# KiCad board sgb_mbc5_1-3.kicad_pcb (continued)
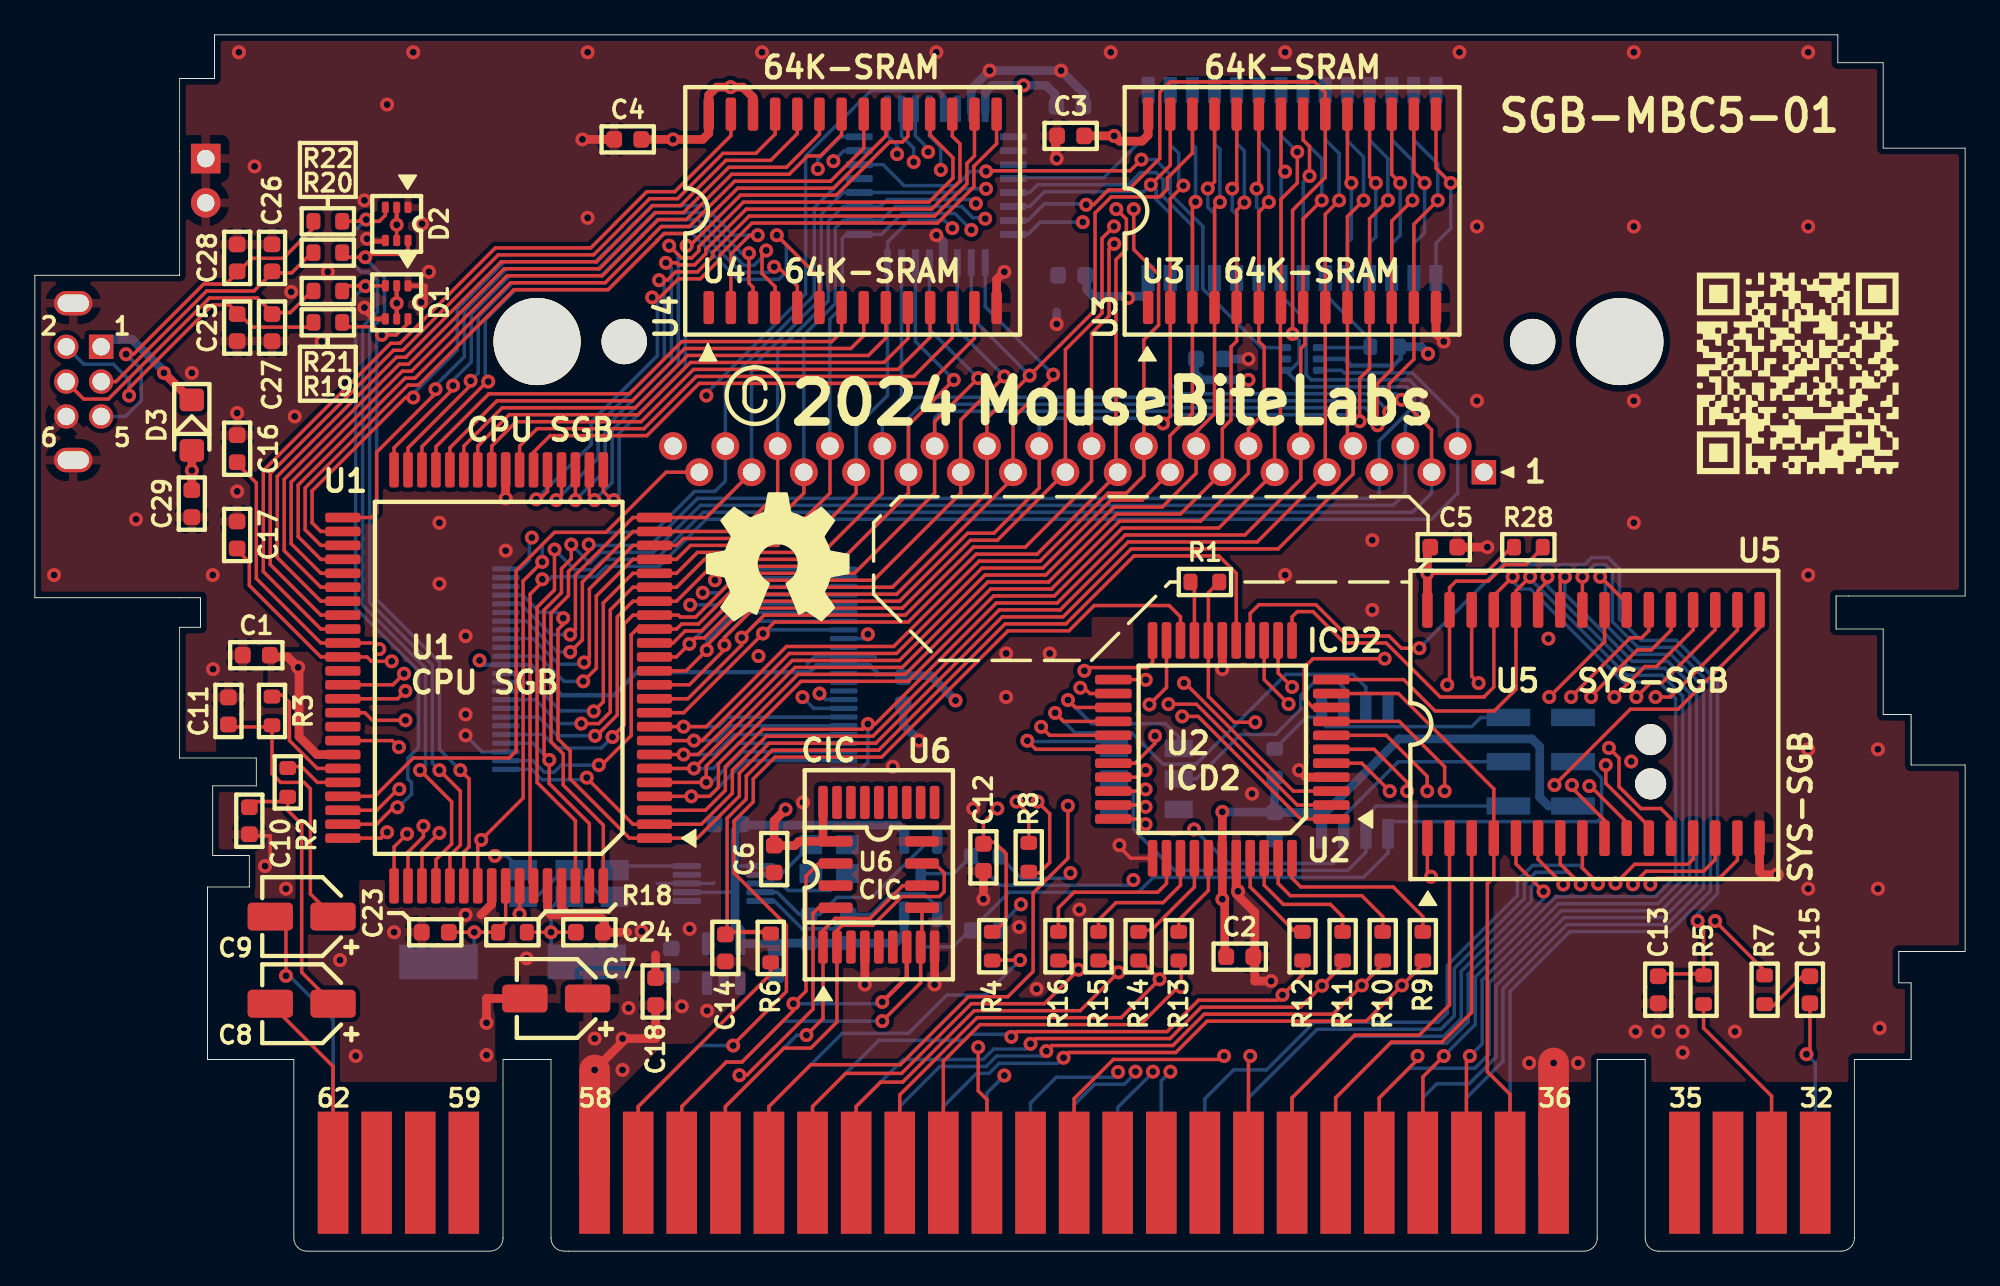
[diagram p0: board, top side]
## Routing (per net, layer and track width the routed paths; a pad name or vN(x,y) marks a point on that pad's centre or on a via; arc(x,y) is an arc through that point) (continued)
/GB domain/MD_{6}: length 42.2
  Top w0.2: 49.2,60.2 49.5,60.2 ; 49.2,60.2 40.63,60.2 38.08,57.65 38.08,57.41 37.67,57 37.08,57 v1(36.38,57.7) ; 49.2,60.2 49.7,60.2 ; 49.5,60.2 49.7,60.2 ; 49.5,60.2 49.7,60.2 ; U1.26 31.8,43.4 v1(32.1,43.1) ; 49.7,60.2 51.27,60.2 52.65,61.58 52.65,62.75 51.36,64.04 51.35,64.04 U4.18
  Bottom w0.2: v1(32.1,43.1) 33.1,44.1 33.1,47.08 36.9,50.88 36.9,57.18 v1(36.38,57.7)
/GB domain/MD_{7}: length 35.1
  Top w0.2: U1.25 32.6,43.6 33.1,43.1 v1(33.2,43.1) ; v1(37.38,57.7) 37.57,57.7 40.47,60.6 45.97,60.6 49.02,63.66 49.76,63.66 50.08,63.97 U4.19
  Bottom w0.2: v1(33.2,43.1) 33.5,43.4 33.5,46.92 37.3,50.72 37.3,57.34 37.16,57.48 v1(37.38,57.7)
/GB domain/PHI: length 86.5
  Top w0.2: U1.75 28.4,21.16 28.4,37.7 29.1,38.4 v1(29.1,38.56) ; 81.6,46.72 CN1.2
  Bottom w0.2: U10.6 74.95,50.55 75.1,50.4 79,50.4 81.6,47.8 CN1.2 81.6,43.5 80.1,42 38.5,42 35.8,39.3 32.77,39.3 32.17,38.7 29.65,38.7 29.51,38.56 v1(29.1,38.56)
/GB domain/~{MCS}: length 47.9
  Top w0.2: U1.43 16.4,40.5 15.5,41.4 15.5,43.8 21.4,49.7 22,49.7 27.48,55.17 32.88,55.17 35.68,57.98 35.68,57.99 36.09,58.4 37.7,58.4 40.3,61 45.8,61 48.8,64 U4.20
/GB domain/~{MRD}: length 48.2
  Top w0.2: U4.22 46.27,64.06 45.05,62.85 44.32,62.85 43.27,61.8 39.96,61.8 37.36,59.2 35.76,59.2 34.88,58.32 34.88,58.31 32.54,55.97 27.08,55.97 21.6,50.5 21.07,50.5 14.7,44.13 14.7,40.6 16.4,38.9 U1.45
/GB domain/~{MWR}: length 47.7
  Top w0.2: U1.49 16.4,35.7 13.1,39 13.1,44.79 20.41,52.1 20.94,52.1 26.41,57.57 31.88,57.57 33.28,58.97 33.28,58.98 35.09,60.8 36.7,60.8 39.92,64.02 39.92,65.25
/GB.CLK: length 57.6
  Top w0.2: v1(65.9,32.6) 65.97,32.6 72.17,26.4 U2.3
  In2.Cu w0.2: v1(65.9,32.6) 65.39,32.09 63.53,32.09 57.94,26.5 53.36,26.5 51.16,24.3 47.56,24.3 45.06,21.8 31.94,21.8 30.74,23 26.7,23 v1(26.38,22.68)
  Bottom w0.2: v1(26.38,22.68) 27.07,22.68 28,21.75 27.99,21.75
/GB.CP: length 66.1
  Top w0.2: v1(21.17,33.14) 20.53,32.5 U1.53 ; v1(63.7,26.5) 63.6,26.4 U2.31
  In2.Cu w0.2: v1(21.17,33.14) 20.55,32.52 20.55,31.32 18.4,29.17 18.4,23.72 20.12,22 24.37,22 25.59,20.78 27.17,20.78 27.79,21.4 30.08,21.4 31.28,20.2 45.72,20.2 48.22,22.7 51.82,22.7 53.02,23.9 59.71,23.9 62.31,26.5 v1(63.7,26.5)
/GB.CPL: length 64.9
  Top w0.2: U1.55 18.92,30.9 19.36,30.46 v1(21.25,30.46) ; U2.29 63.1,28 64.24,29.14 v1(64.24,29.57)
  In2.Cu w0.2: v1(64.24,29.57) 59.37,24.7 52.69,24.7 51.49,23.5 47.89,23.5 45.39,21 31.61,21 30.41,22.2 27.46,22.2 26.84,21.58 25.92,21.58 24.7,22.8 20.45,22.8 19.2,24.05 19.2,28.84 20.83,30.46 v1(21.25,30.46)
/GB.LD0: length 75.6
  Top w0.2: U2.32 63.6,25.6 v1(63.7,25.5) ; 11.6,40.24 12.3,39.54 12.3,38.2 16.4,34.1 U1.51 19.05,34.1 19.3,33.85 v1(20.46,33.85)
  In2.Cu w0.2: v1(63.7,25.5) 61.87,25.5 59.87,23.5 53.19,23.5 51.99,22.3 48.39,22.3 45.89,19.8 31.11,19.8 29.91,21 27.95,21 27.34,20.38 25.42,20.38 24.2,21.6 19.95,21.6 18,23.55 18,29.33 20.08,31.42 20.08,33.47 v1(20.46,33.85)
/GB.LD1: length 80.4
  Top w0.2: U2.33 63.4,24.8 v1(63.7,24.5) ; 11.6,45.19 12.7,44.09 12.7,38.6 16.4,34.9 U1.50 19.4,34.9 v1(19.75,34.55)
  In2.Cu w0.2: v1(19.75,34.55) 19.68,34.48 19.68,31.58 17.6,29.5 17.6,23.39 19.79,21.2 24.04,21.2 25.25,19.98 27.5,19.98 28.12,20.6 29.75,20.6 30.95,19.4 46.05,19.4 48.55,21.9 52.15,21.9 53.35,23.1 60.04,23.1 61.69,24.75 63.45,24.75 v1(63.7,24.5)
/GB.P10: length 51.2
  Top w0.2: U2.23 63.7,32.8 v1(63.71,32.79) ; U1.67 22.2,23 v1(23.2,24)
  In2.Cu w0.2: v1(23.2,24) 23.5,24.3 30.01,24.3 32.11,22.2 44.89,22.2 47.39,24.7 50.99,24.7 53.19,26.9 57.78,26.9 63.66,32.79 v1(63.71,32.79)
/GB.P11: length 50.1
  Top w0.2: v1(59.95,32.33) 59.99,32.3 60.2,32.3 60.5,32 U2.24 ; v1(22.28,24.4) 22.28,23.78 21.4,22.9 U1.66
  In2.Cu w0.2: v1(59.95,32.33) 59.95,29.65 57.61,27.3 53.03,27.3 50.83,25.1 47.23,25.1 44.73,22.6 32.27,22.6 30.17,24.7 22.58,24.7 v1(22.28,24.4)
/GB.P12: length 58.3
  Top w0.2: v1(21.35,23.95) 20.6,23.2 U1.65 ; U2.25 59.67,31.2 v1(59.25,31.62)
  In2.Cu w0.2: v1(59.25,31.62) 59.25,29.5 57.44,27.7 52.86,27.7 50.66,25.5 47.06,25.5 44.56,23 32.44,23 30.34,25.1 21.98,25.1 21.35,24.47 v1(21.35,23.95)
  Bottom w0.2: v1(59.25,31.62) 60.6,30.27 64.83,30.27 65.6,29.5 SW1.1
/GB.P13: length 72.6
  Top w0.2: U2.26 59,30.4 v1(58.51,30.89) ; v1(20.2,24.04) 19.86,23.7 U1.64
  In2.Cu w0.2: v1(58.51,30.89) 58.51,29.33 57.28,28.1 52.7,28.1 50.5,25.9 46.9,25.9 44.4,23.4 32.6,23.4 30.5,25.5 21.81,25.5 20.35,24.04 v1(20.2,24.04)
  Bottom w0.2: U13.3 76.33,32.36 75.6,33.1 71.75,33.1 66.6,27.95 64.7,27.95 62.9,29.75 59.65,29.75 v1(58.51,30.89)
/GB.P14: length 84.1
  Top w0.2: 18.85,55.4 18.92,55.4 v1(18.95,55.37) ; 18.85,55.4 D1.3 ; 18.85,55.4 18.01,55.4 17.71,55.1 ; v1(20.79,25.47) 20.57,25.47 19.6,24.5 U1.63 ; U2.27 58.2,29.6 v1(57.71,30.09)
  In2.Cu w0.2: v1(57.71,30.09) 57.71,29.1 57.11,28.5 52.53,28.5 50.33,26.3 46.73,26.3 44.23,23.8 32.77,23.8 30.67,25.9 21.28,25.9 20.85,25.47 v1(20.79,25.47)
  Bottom w0.2: v1(18.95,55.37) 18.2,54.62 18.2,53.41 18.4,53.21 18.4,36.9 22,33.3 22,28.9 21.39,28.29 21.39,27.11 21.6,26.9 21.6,26.22 20.85,25.47 v1(20.79,25.47)
/GB.P15: length 53.1
  Top w0.2: v1(56.92,29.29) 57.41,28.8 U2.28 ; U1.62 19.61,25.3 20.82,26.51 v1(20.9,26.51)
  In2.Cu w0.2: v1(20.9,26.51) 21.11,26.3 30.83,26.3 32.93,24.2 44.07,24.2 46.57,26.7 50.17,26.7 52.37,28.9 56.52,28.9 v1(56.92,29.29)
  Bottom w0.2: v1(56.92,29.29) 56.96,29.25 61.5,29.25 SW1.4
/GB.S: length 54.2
  Top w0.2: v1(60.19,33.31) 60.37,33.49 63.79,33.49 64.1,33.8 U2.22 ; v1(20.88,28.92) 20.5,29.3 U1.57
  In2.Cu w0.2: v1(60.19,33.31) 59.94,33.31 55.93,29.3 52.2,29.3 50,27.1 46.4,27.1 43.9,24.6 33.1,24.6 31,26.7 21.8,26.7 20.88,27.62 v1(20.88,28.92)
/GB.ST: length 64.7
  Top w0.2: v1(21.25,32.14) 20.81,31.7 U1.54 ; v1(63.7,27.6) 63.3,27.2 U2.30
  In2.Cu w0.2: v1(21.25,32.14) 21.25,31.45 18.8,29 18.8,23.88 20.28,22.4 24.53,22.4 25.75,21.18 27,21.18 27.62,21.8 30.24,21.8 31.44,20.6 45.56,20.6 48.06,23.1 51.66,23.1 52.86,24.3 59.54,24.3 62.84,27.6 v1(63.7,27.6)
/GB.~{RES}: length 91.8
  Top w0.2: v1(56.3,25.8) 57,25.1 57,23.51 ; v1(29.1,39.56) 28,38.46 28,26 v1(25.6,23.6) 25.4,23.4 U1.71
  In2.Cu w0.2: v1(56.3,25.8) 56,26.1 53.53,26.1 51.33,23.9 47.73,23.9 45.23,21.4 31.77,21.4 30.57,22.6 27.29,22.6 26.67,21.98 26.09,21.98 25.6,22.48 v1(25.6,23.6)
  Bottom w0.2: v1(29.1,39.56) 29.1,40.55 29.8,41.25 35.48,41.25 37.83,43.6 39,43.6 39.6,44.2 CN1.30 39.6,49.76 44.7,54.86 44.7,59.88 46.38,61.55 47.45,61.55
/ICD2.MCK: length 56.5
  Top w0.2: 99.2,15.91 99.2,16.1 v1(96.36,18.94) ; v1(69.99,30.35) 68.78,30.35 67.3,31.83 U2.18 67.3,37.79 67.91,38.4
  In2.Cu w0.2: v1(96.36,18.94) 96.36,18.94 95.7,19.6 95.7,32.35 93.95,34.1 81.04,34.1 80.24,33.3 72.03,33.3 71.2,32.47 71.2,31.56 v1(69.99,30.35)
/ICD2.REFRESH: length 56.4
  Top w0.2: U2.15 69.7,36.6 70.2,37.1 73.47,37.1 75.27,35.3 77.67,35.3 78.37,34.6 v1(79.4,34.6) ; v1(95.36,18.95) 95.7,18.61 95.7,15.91 93.15,15.91 93.1,15.86
  Bottom w0.2: v1(79.4,34.6) 84.2,39.4 88.88,39.4 89.28,39.8 90.23,39.8 90.87,39.16 90.87,36.29 92.11,35.05 94.14,35.05 96.5,32.69 96.5,20.52 95.36,19.38 v1(95.36,18.95)
/ICD2.SYSCK: length 52.1
  Top w0.2: U2.16 68.9,38.9 67.9,39.9 63.03,39.9 59.13,36 55.64,36 48.39,28.75 42.28,28.75 40.8,27.27 40.8,25.95 39.7,24.85 39.7,18.31 42.2,18.31
  Top w0.25: 42.2,18.31 39.65,18.31 39.6,18.26
/ICD2.XO: length 3.5
  Top w0.2: 66.09,38.4 66.5,37.99 U2.19
/ICD2.~{GB_RES}: length 18.1
  Top w0.2: v1(57.5,25.8) 58.2,25.1 58.2,22.3 57.59,21.69 57,21.69 ; v1(63.92,31.37) 64.9,32.35 U2.21
  In2.Cu w0.2: v1(57.5,25.8) 57.81,25.8 63.37,31.37 v1(63.92,31.37)
/ICD2.~{RD}: length 32.8
  Top w0.2: v1(55.2,25.4) 54.4,24.6 54.4,23.46 55.04,23.46 55.7,22.8 55.7,19 55.1,18.4 55.09,18.41 ; U2.2 72.4,25.6 66.61,31.39 v1(65.01,31.39)
  In2.Cu w0.2: v1(55.2,25.4) 55.5,25.1 57.79,25.1 63.36,30.67 64.29,30.67 v1(65.01,31.39)
/ICD.D_{0}: length 10.3
  Top w0.2: 79.6,18.41 79.6,19.2 77.9,20.9 72.6,20.9 72.1,21.4 U2.44
/ICD.D_{1}: length 9
  Top w0.2: 77.3,18.41 77.3,19.2 76.1,20.4 72,20.4 71.3,21.1 U2.43
/ICD.D_{2}: length 7.6
  Top w0.2: 75,18.41 75,19.2 74.3,19.9 71.6,19.9 70.5,21 U2.42
/ICD.D_{3}: length 5.7
  Top w0.2: 72.7,18.41 72.19,18.41 69.7,20.9 U2.41
/ICD.D_{4}: length 4.8
  Top w0.2: 65.6,18.41 65.6,19 67.3,20.7 U2.38
/ICD.D_{5}: length 5.9
  Top w0.2: 63.3,18.41 64.01,18.41 66.5,20.9 U2.37
/ICD.D_{6}: length 7.7
  Top w0.2: U2.36 65.7,21 64.7,20 62,20 61,19 61,18.41
/ICD.D_{7}: length 9.5
  Top w0.2: 58.7,18.41 58.7,19.7 59.6,20.6 64.4,20.6 64.9,21.1 U2.35
/MCK_{AC}: length 3.3
  Top w0.2: 99.2,14.09 99.69,14.09 101.46,15.86 101.8,15.86
/SNES domain//IRQ: length 33.9
  Top w0.2: v1(40.41,10.09) 40.83,10.09 42.33,11.6 42.34,11.6 44.63,13.89 44.63,19.38 44.95,19.7 U14.4
  In2.Cu w0.2: v1(40.41,10.09) 40.42,10.08 v1(55.6,10.08)
  Bottom w0.2: v1(55.6,10.08) 54.6,9.08 CN2.18
/SNES domain/CIC_{0}: length 23.3
  Top w0.2: v1(44.25,12.4) 45.2,13.35 U6.1 45.2,18.4 45.9,19.1 47.9,19.1 49.77,20.97 50.86,20.97 50.88,20.97
  Bottom w0.2: v1(44.25,12.4) 43.7,12.4 39.6,8.3 CN2.24
/SNES domain/CIC_{1}: length 27.1
  Top w0.2: CN2.55 39.6,8.3 42.5,11.2 42.51,11.2 42.96,11.65 44.5,11.65 46,13.15 U6.2 46,18.4 46.3,18.7 48.07,18.7 49.72,20.35 51.88,20.35 52.15,20.62 52.15,21.7 51.61,22.24 50.89,22.24 50.88,22.23
/SNES domain/CIC_{2}: length 24.8
  Top w0.2: v1(48.6,13.2) 50.8,15.4 U6.8 50.8,17.6 50.88,17.67 50.88,19.69
  Bottom w0.2: CN2.25 37.1,8.3 39.65,10.85 40.55,10.85 42.9,13.2 v1(48.6,13.2)
/SNES domain/CIC_{3}: length 31.7
  Top w0.2: 45.92,22.24 44.95,22.24 44.23,21.52 44.23,14.92 v1(43.5,14.2) 43.5,13.8 40.55,10.85 39.65,10.85 37.1,8.3 CN2.56 ; 45.92,22.23 46.27,22.23
  Top w0.25: v1(48.6,14.3) 50,15.7 U6.7
  Bottom w0.2: v1(43.5,14.2) 48.5,14.2 v1(48.6,14.3)
/SNES domain/SNES.A_{0}: length 59.4
  Top w0.2: U2.5 76.1,28 v1(77.7,26.4) ; v1(90.27,28.88) 90.85,28.3 90.85,26.66 92.11,25.4 93.25,25.4 93.83,24.82 U5.12 93.83,24.47
  In2.Cu w0.2: v1(62.12,10.28) 62.12,10.29 62.83,11 63.25,11 63.65,11.4 64.09,11.4 70.09,17.4 71.6,17.4 77.7,23.5 v1(77.7,26.4) 79.2,27.9 85.46,27.9 86.21,28.65 90.04,28.65 v1(90.27,28.88)
  Bottom w0.2: v1(62.12,10.28) 61.82,9.98 58.58,9.98 57.1,8.5 CN2.17
/SNES domain/SNES.A_{1}: length 55.1
  Top w0.2: U2.6 76.8,28.8 78.7,26.9 v1(78.7,26.4) ; U5.11 92.56,24.38 90.09,26.85 v1(90.09,27.9)
  In2.Cu w0.2: v1(63.12,10.3) 63.82,11 64.25,11 70.26,17 71.77,17 78.7,23.93 v1(78.7,26.4) 79.8,27.5 85.63,27.5 86.38,28.25 89.74,28.25 v1(90.09,27.9)
  Bottom w0.2: v1(63.12,10.3) 63.12,10.22 62.48,9.58 60.78,9.58 59.6,8.4 CN2.16
/SNES domain/SNES.A_{2}: length 51.8
  Top w0.2: U5.10 91.29,24.61 89.21,26.69 v1(89.15,26.69) ; U2.7 77.5,29.6 79.85,27.25 v1(79.85,26.4)
  In2.Cu w0.2: v1(89.15,26.69) 89.15,26.74 88.04,27.85 86.54,27.85 85.79,27.1 80.55,27.1 v1(79.85,26.4) 79.85,24.52 71.93,16.6 70.42,16.6 v1(64.12,10.3)
  Bottom w0.2: CN2.15 62.1,8.25 64.12,10.27 v1(64.12,10.3)
/SNES domain/SNES.A_{3}: length 50.3
  Top w0.2: U2.8 78.25,30.4 80.85,27.8 v1(80.85,26.4) ; U5.9 90.02,24.72 88.15,26.6 v1(88.15,26.75)
  In2.Cu w0.2: v1(88.15,26.75) 87.45,27.45 86.71,27.45 85.96,26.7 81.15,26.7 v1(80.85,26.4) 80.85,24.95 72.1,16.2 70.61,16.2 65.12,10.71 v1(65.12,10.3)
  Bottom w0.2: CN2.14 64.6,9.78 v1(65.12,10.3)
/SNES domain/SNES.A_{4}: length 37.9
  Top w0.2: U5.8 88.75,21.99 v1(89.65,21.09)
  Bottom w0.2: v1(89.65,21.09) 88.6,22.14 85.9,22.14 85.02,21.26 85.02,20.41 81,16.39 81,13.66 80.47,13.13 73.37,13.13 70.63,10.4 68.75,10.4 67.1,8.75 CN2.13
/SNES domain/SNES.A_{5}: length 34.2
  Top w0.2: v1(88.65,21.05) 87.48,22.22 U5.7
  Bottom w0.2: CN2.12 69.6,8.8 73.53,12.73 80.64,12.73 81.4,13.5 81.4,16.23 85.42,20.25 85.42,21.1 86.07,21.74 87.96,21.74 v1(88.65,21.05)
/SNES domain/SNES.A_{6}: length 30.5
  Top w0.2: v1(87.65,21.04) 86.21,22.48 U5.6
  Bottom w0.2: v1(87.65,21.04) 87.35,21.34 86.23,21.34 85.82,20.93 85.82,20.08 81.8,16.06 81.8,13.33 80.8,12.33 75.61,12.33 72.1,8.83 CN2.11
/SNES domain/SNES.A_{7}: length 26.7
  Top w0.2: U5.5 84.94,22.22 v1(86.52,20.64)
  Bottom w0.2: v1(86.52,20.64) 86.52,20.22 82.2,15.89 82.2,13.17 80.97,11.93 77.73,11.93 74.6,8.8 CN2.10
/SNES domain/SNES.A_{8}: length 53.8
  Top w0.2: v1(86.75,38.7) 86.75,38.45 86.21,37.91 U5.27
  Bottom w0.2: CN2.9 77.1,8.77 78.83,10.5 82.59,10.5 83.4,11.31 83.4,15.4 87.54,19.54 93.26,19.54 94.9,21.18 94.9,32.03 93.48,33.45 91.45,33.45 86.75,38.15 v1(86.75,38.7)
/SNES domain/SNES.A_{9}: length 51.5
  Top w0.2: U5.26 87.48,38.43 v1(87.75,38.7)
  Bottom w0.2: v1(87.75,38.7) 87.75,37.72 91.62,33.85 93.65,33.85 95.3,32.2 95.3,21.01 93.43,19.14 87.71,19.14 83.8,15.23 83.8,11.14 82.26,9.6 80.4,9.6 79.6,8.8 CN2.8
/SNES domain/SNES.A_{10}: length 49.4
  Top w0.2: U5.23 91.29,37.2 89.79,38.7 v1(89.77,38.7)
  Bottom w0.2: CN2.7 82.1,8.8 84.2,10.9 84.2,15.07 87.88,18.74 93.59,18.74 95.7,20.85 95.7,32.36 93.81,34.25 91.78,34.25 90.07,35.96 90.07,38.4 v1(89.77,38.7)
/SNES domain/SNES.A_{11}: length 73.5
  Top w0.2: U2.9 73.3,31.2 72.8,31.7 72.8,33.5 73.3,34 v1(77.41,34) ; v1(88.75,38.7) U5.25
  In2.Cu w0.2: v1(88.75,38.7) 88.05,38 85.8,38 85.1,37.3 85.1,35 84.6,34.5 80.88,34.5 80.08,33.7 77.71,33.7 v1(77.41,34)
  Bottom w0.2: v1(88.75,38.7) 89.45,39.4 90.06,39.4 90.47,38.99 90.47,36.13 91.95,34.65 93.98,34.65 96.1,32.53 96.1,20.68 93.76,18.34 88.04,18.34 84.6,14.9 CN2.6
/SNES domain/SNES.A_{12}: length 34.3
  Top w0.2: CN2.37 84.6,9 83.3,10.3 83.3,21.1 83.67,21.47 U5.4 83.67,26.53 78.2,32 U2.10
/SNES domain/SNES.A_{13}: length 66.1
  Top w0.2: CN2.38 82.1,11 v1(82.3,11.2) ; U2.11 78.5,32.8 80.3,31 83.7,31 84.94,32.24 U5.28 84.94,37.89 v1(85.75,38.7)
  Bottom w0.2: v1(82.3,11.2) 83,11.9 83,15.56 87.38,19.94 93.1,19.94 94.5,21.34 94.5,31.87 93.32,33.05 91.28,33.05 85.75,38.58 v1(85.75,38.7)
/SNES domain/SNES.A_{14}: length 71
  Top w0.2: v1(84.75,38.7) 83.67,37.62 U5.29 83.67,32.37 83.1,31.8 80.6,31.8 77.5,34.9 75.1,34.9 73.3,36.7 72.4,36.7 72.1,36.4 U2.12 ; CN2.39 79.6,10 v1(80.8,11.2)
  Bottom w0.2: v1(80.8,11.2) 82.6,13 82.6,15.73 87.21,20.34 87.94,20.34 87.95,20.35 92.94,20.35 94.1,21.51 94.1,31.7 93.15,32.65 91.12,32.65 85.77,38 85.2,38 84.75,38.45 v1(84.75,38.7)
/SNES domain/SNES.A_{15}: length 65.2
  Top w0.2: U2.13 71.3,33.18 v1(72.1,32.38) ; v1(79.3,11.2) 79.3,11 77.1,8.8 CN2.40
  In2.Cu w0.2: v1(72.1,32.38) 72.62,32.9 80.41,32.9 81.21,33.7 93.79,33.7 95.3,32.19 95.3,22.71 92.94,20.35 88.45,20.35 v1(79.3,11.2)
/SNES domain/SNES.A_{16}: length 24.1
  Top w0.2: U5.3 82.4,13.7 80.7,12 77.8,12 74.6,8.8 CN2.41
/SNES domain/SNES.A_{17}: length 25.1
  Top w0.2: U5.2 81.13,14.13 79.4,12.4 75.7,12.4 72.1,8.8 CN2.42
/SNES domain/SNES.A_{18}: length 60.6
  Top w0.2: v1(82.8,32.6) 82.4,33 U5.30 ; CN2.43 69.6,11.1 v1(69.7,11.2)
  In2.Cu w0.2: v1(69.7,11.2) 69.76,11.2 72.65,14.09 72.65,15.06 80.98,23.39 91.73,23.39 94.5,26.16 94.5,31.86 93.46,32.9 83.1,32.9 v1(82.8,32.6)
/SNES domain/SNES.A_{22}: length 79.8
  Top w0.2: CN2.47 59.6,8.75 61.85,11 68,11 v1(68.2,11.2) ; U2.14 70.5,32.8 v1(71.9,31.4)
  In2.Cu w0.2: v1(68.2,11.2) 68.9,11.9 69.89,11.9 72.25,14.26 72.25,15.22 80.82,23.79 91.56,23.79 94.1,26.32 94.1,31.69 93.29,32.5 86.1,32.5 84.3,30.7 77.8,30.7 77.1,31.4 v1(71.9,31.4)
/SNES domain/SNES.D_{0}: length 57.7
  Top w0.2: v1(90.65,21.1) 91.75,22.2 94.8,22.2 95.1,22.5 U5.13 ; v1(59,11.1) 59.3,11.4 65.43,11.4 67.23,13.2 76.35,13.2 v1(78.4,15.25) 79.6,16.45 79.6,16.59
  In2.Cu w0.2: v1(78.4,15.25) 78.4,17.69 82.49,21.79 89.96,21.79 v1(90.65,21.1)
  Bottom w0.2: v1(59,11.1) 58.67,10.78 55.3,10.78 54.72,10.2 54,10.2 52.1,8.3 CN2.19
/SNES domain/SNES.D_{1}: length 60.9
  Top w0.2: v1(58.01,11.48) 58.33,11.8 65.27,11.8 67.07,13.6 74.45,13.6 v1(76.1,15.25) 77.3,16.45 77.3,16.59 ; v1(91.65,21.05) 92.4,21.8 95.7,21.8 96.37,22.47 U5.14
  In2.Cu w0.2: v1(91.65,21.05) 91.65,21.09 90.55,22.19 82.33,22.19 76.1,15.96 v1(76.1,15.25)
  Bottom w0.2: CN2.20 49.6,8.3 51.9,10.6 54.56,10.6 55.16,11.2 57.73,11.2 v1(58.01,11.48)
/SNES domain/SNES.D_{2}: length 64.6
  Top w0.2: 75,16.59 75,16.42 v1(73.82,15.23) 72.58,14 66.9,14 65.1,12.2 57.4,12.2 v1(57.1,11.9) ; v1(92.65,21.05) 93,21.4 96.6,21.4 97.64,22.44 U5.15
  In2.Cu w0.2: v1(73.82,15.23) 74.81,15.23 82.16,22.59 91.11,22.59 v1(92.65,21.05)
  Bottom w0.2: CN2.21 47.1,8.3 49.8,11 54.39,11 54.99,11.6 56.8,11.6 v1(57.1,11.9)
/SNES domain/SNES.D_{3}: length 73.3
  Top w0.2: v1(87.15,26.75) 91.5,31.1 94.23,31.1 98.91,35.78 U5.17 ; v1(56,12.3) 56.3,12.6 64.93,12.6 66.73,14.4 71.25,14.4 v1(71.55,14.7) 72.7,15.85 72.7,16.59
  In2.Cu w0.2: v1(87.15,26.75) 87.1,26.8 86.62,26.8 86.12,26.3 82.76,26.3 71.55,15.09 v1(71.55,14.7)
  Bottom w0.2: CN2.22 44.6,8.3 48.4,12.1 53.31,12.1 53.66,12.45 55.85,12.45 v1(56,12.3)
/SNES domain/SNES.D_{4}: length 66.8
  Top w0.2: CN2.50 52.1,10.9 54.2,13 63.4,13 65.55,15.15 v1(65.75,15.15) 65.75,16.44 65.6,16.59 ; U5.18 97.64,35.64 93.8,31.8 v1(92.95,31.8)
  In2.Cu w0.2: v1(92.95,31.8) 91.85,30.7 90.83,30.7 89.18,29.05 86.04,29.05 85.29,28.3 78.61,28.3 77,26.69 77,23.37 71.43,17.8 69.92,17.8 67.62,15.5 66.1,15.5 v1(65.75,15.15)
/SNES domain/SNES.D_{5}: length 67
  Top w0.2: v1(91.84,31.8) 92.64,32.6 93.3,32.6 96.37,35.67 U5.19 ; 63.3,16.59 63.51,16.59 v1(64.5,15.6) 62.3,13.4 54.03,13.4 49.6,8.97 CN2.51
  In2.Cu w0.2: v1(64.5,15.6) 64.8,15.9 67.46,15.9 69.76,18.2 71.27,18.2 76.6,23.53 76.6,26.86 78.44,28.7 85.13,28.7 85.88,29.45 89.02,29.45 90.67,31.1 91.14,31.1 v1(91.84,31.8)
/SNES domain/SNES.D_{6}: length 67.7
  Top w0.2: CN2.52 47.1,8.3 48.5,9.7 49.77,9.7 53.87,13.8 59.95,13.8 v1(62.15,16) 61.56,16.59 61,16.59 ; v1(90.58,31.8) 92.33,33.55 93,33.55 95.1,35.65 U5.20
  In2.Cu w0.2: v1(90.58,31.8) 90.58,31.58 88.85,29.85 85.71,29.85 84.96,29.1 78.28,29.1 76.2,27.02 76.2,23.7 71.1,18.6 69.59,18.6 67.29,16.3 62.45,16.3 v1(62.15,16)
/SNES domain/SNES.D_{7}: length 68.8
  Top w0.2: v1(89.25,31.8) 89.25,31.85 91.9,34.5 92.7,34.5 93.83,35.63 U5.21 ; 58.7,16.59 59.41,16.59 v1(59.85,16.15) 57.9,14.2 53.7,14.2 49.7,10.2 46.5,10.2 44.6,8.3 CN2.53
  In2.Cu w0.2: v1(59.85,16.15) 60.4,16.7 67.13,16.7 69.43,19 70.94,19 75.8,23.86 75.8,27.19 78.11,29.5 84.8,29.5 85.55,30.25 87.7,30.25 v1(89.25,31.8)
/SNES domain/SNES.MCK: length 10.3
  Top w0.2: 101.75,14.09 101.8,14.14 ; 101.8,14.14 101.6,13.94 ; 101.8,14.14 101.8,11.5 v1(101.6,11.3)
  Bottom w0.2: CN2.1 102.1,10.8 v1(101.6,11.3)
/SNES domain/SNES.REFRESH: length 11.2
  Top w0.2: 95.7,14.09 95.7,12.8 99.6,8.9 CN2.33
/SNES domain/SNES.SYSCK: length 15.1
  Top w0.2: 42.2,16.49 42.2,15.9 34.6,8.3 CN2.57
/SNES domain/SNES.~{RD}: length 68.4
  Top w0.2: v1(86.85,31.8) 90.02,34.97 U5.24 ; 54.9,16.59 54.9,16.6 55,16.7 v1(56.5,16.7) 56.39,16.59
  In2.Cu w0.2: v1(56.5,16.7) 58.84,16.7 59.64,17.5 66.8,17.5 69.1,19.8 70.61,19.8 75,24.19 75,27.52 77.78,30.3 84.47,30.3 85.97,31.8 v1(86.85,31.8)
  Bottom w0.2: v1(56.5,16.7) 54.5,14.7 52.3,14.7 50.1,12.5 46.3,12.5 42.1,8.3 CN2.23
/SNES domain/SNES.~{ROMSEL}: length 59.5
  Top w0.2: v1(54.1,11.7) 54.1,9.2 54.6,8.7 CN2.49 ; v1(88.1,31.8) 91.5,35.2 92.15,35.2 92.56,35.61 U5.22
  In2.Cu w0.2: v1(88.1,31.8) 86.95,30.65 85.38,30.65 84.63,29.9 77.95,29.9 75.4,27.35 75.4,24.03 70.77,19.4 69.26,19.4 66.96,17.1 59.81,17.1 59.15,16.44 59.15,15.45 56.7,13 55.71,13 54.81,12.1 ; v1(54.1,11.7) 54.4,11.7 54.8,12.1
/SNES domain/SNES.~{WR}: length 52.4
  Top w0.2: v1(65.8,30.69) 66.71,30.69 72.6,24.8 U2.1 ; v1(59.24,25.56) 59.24,22.54 57.25,20.55 57.25,16.05 55.8,14.6 53.54,14.6 49.64,10.7 44.5,10.7 42.1,8.3 CN2.54
  In2.Cu w0.2: v1(65.8,30.69) 65.38,30.27 63.52,30.27 59.24,25.99 v1(59.24,25.56)
/SNES.~{RESET}: length 59.2
  Top w0.2: v1(40.05,11.8) 40.05,11.85 43.1,14.9 43.1,18.7 40.1,21.7 40.1,24.68 41.2,25.78 41.2,27.1 42.45,28.35 48.56,28.35 55.81,35.6 59.3,35.6 60.75,37.05 65.05,37.05 65.7,36.4 U2.20
  Bottom w0.2: CN2.26 34.6,8.3 38.1,11.8 v1(40.05,11.8)
/SO1: length 3.5
  Top w0.2: 14.5,27.81 15.29,27.81 16.2,26.9 U1.60
/SO2: length 7.1
  Top w0.2: 13.6,31.91 14.19,31.91 14.6,31.5 14.6,29.3 16.2,27.7 U1.59
Net-(D1A-K3A4): length 38.6
  Top w0.2: v1(24.4,27.6) 24.9,27.1 24.9,23.2 24.6,22.9 U1.70 ; D1.6 21.4,53.25 20.73,52.58 v1(19.9,52.58) 19.43,53.05 17.96,53.05 17.71,53.3
  Bottom w0.2: v1(19.9,52.58) 19.6,52.28 19.6,37.4 23.2,33.8 23.2,28.8 v1(24.4,27.6)
Net-(D2A-K3A4): length 43.8
  Top w0.2: 17.71,57.3 17.98,57.04 v1(18.95,57.04) 19.11,57.2 21.1,57.2 21.4,57.5 D2.6 ; v1(23.2,27.6) 24.4,26.4 24.4,23.3 23.8,22.7 U1.69
  Bottom w0.2: v1(18.95,57.04) 18.95,56.97 20.05,55.87 20.05,53.73 19.2,52.88 19.2,37.23 22.8,33.63 22.8,28 v1(23.2,27.6)
Net-(D2B-K1A2): length 45.6
  Top w0.2: 17.71,59.1 18.9,59.1 ; v1(19,59.2) 18.9,59.1 ; 18.9,59.1 19.75,59.1 20.1,59.45 D2.3 ; U1.68 23,22.47 23.9,23.37 23.9,25.79 v1(22.09,27.6)
  Bottom w0.2: v1(19,59.2) 18.25,58.45 18.25,56.65 18.7,56.2 19.15,56.2 19.65,55.7 19.65,53.9 18.8,53.05 18.8,37.07 22.4,33.47 22.4,27.91 v1(22.09,27.6)
Net-(D3-K): length 6.9
  Top w0.5: D3.1 8.95,48.85 v1(7.4,50.4)
  Bottom w0.5: v1(7.4,50.4) 7.4,50.5 5.58,52.32 4.22,52.32 P1.1
Net-(P1A-CLK): length 20.1
  Top w0.2: 11.6,55.87 11.6,56.14 ; 11.6,56.14 12.44,56.97 14.24,56.97 15.89,58.62 15.89,59.1 ; 11.6,56.14 10.96,55.5 9.68,55.5 5.65,51.47 v1(5.23,51.47)
  Bottom w0.2: P1.5 5.19,47.9 6.1,48.81 6.1,49.39 6.1,49.39 6.1,50.6 v1(5.23,51.47)
Net-(P1A-IN): length 15.7
  Top w0.2: 13.6,56.14 12.56,55.1 9.85,55.1 4.65,49.9 P1.3 ; 13.6,56.14 14.73,56.14 15.89,57.3 15.74,57.45 ; 13.6,56.14 13.84,55.9
Net-(P1A-OUT): length 18.8
  Top w0.2: v1(5.4,49.1) 5.4,49.52 10.18,54.3 11.16,54.3 11.6,53.86 11.64,53.86 12.48,53.02 15.61,53.02 15.89,53.3
  Bottom w0.2: P1.2 2.8,50.9 4.5,50.9 5.4,50 5.4,49.1 v1(5.4,49.1)
Net-(P1A-SD): length 18
  Top w0.2: 15.69,54.9 15.89,55.1 14.65,53.86 13.6,53.86 12.76,54.7 10.01,54.7 4.21,48.9 2.8,48.9 P1.4
Net-(SJ2-B): length 8.6
  Top w0.2: 28.7,18.3 v1(29.6,18.3) 30.94,18.3
  Bottom w0.2: 31.65,16.5 31.4,16.5 ; X1.2 30.21,16.6 29.6,17.21 v1(29.6,18.3) 29.6,19.7 30.35,20.45 30.6,20.45
Net-(U5-NC): length 52.1
  Top w0.2: 86.56,40.45 85.51,39.4 84.3,39.4 83.35,38.45 81.5,38.45 81.13,38.08 U5.31 81.13,32.63 v1(81,32.5) ; U5.1 79.86,21.7 v1(80.07,21.49)
  In2.Cu w0.2: v1(80.07,21.49) 81.57,22.99 91.89,22.99 91.89,22.99 94.9,25.99 94.9,32.02 93.62,33.3 81.38,33.3 81,32.92 v1(81,32.5)

## Copper pours and planes (outline as drawn; the poured copper is in the pictures)
+5V on Top: 13.35,34.4 18.65,34.4 18.65,27.8 14.65,27.95 14.6,31.55 13.65,32.2 13.35,32.15
+5V on Top, Bottom: 31.2,8 33,8 33,8.8 36.1,11.9 40.75,11.9 40.75,16.1 31.2,16.1
+5V on Bottom: 37.05,34.2 38.25,35.6 47.15,35.55 48.1,34.6 51.3,34.6 53.4,32.5 53.4,31.2 52.4,31.2 51.1,32.5 35.6,32.5 34.3,31.2 26.5,31.2 26.5,34.2
+5V on In2.Cu: 85.1,69.8 -1,70.9 -0.7,37.5 4.6,9.7 85.1,9.7
GND on Top, Bottom: -0.7,37.4 8.2,11 8.3,9.7 107.7,9.7 110.5,15.3 110.5,37.5 110.7,71 -1.1,70.9
GND on In1.Cu: -0.7,70.9 110.7,69.7 110.5,9.6 8.3,9.7 -0.7,37.5
GND on In2.Cu: 85.1,9.7 107.6,9.7 110.5,15.4 110.7,63.4 110.3,69.8 85.1,69.8

## Text on the board
B.Mask: www.mousebitelabs.com
B.Silkscreen: CLK3 | CLOCK MODE / (PICK ONE) | 5 | 3 | 1 | ISP HEADER | 2 | 6 | 31 | 28 | 27 | 4 | CLK1 | CLK2 | GB-PRG | 29F160 | U7	GB-PRG | MBC5 | U8 / MBC5 | U9	256K-FRAM | 256K-FRAM | PLAY | PROG | Special thanks to gekkio!
F.Mask: THIS SIDE FACES BACK OF SNES | v1.3
F.Silkscreen: 2 | 6 | 1 | 5 | 62 | 59 | 58 | U6 / CIC | 36 | 35 | 32 | U1 / CPU SGB | CPU SGB | U4	64K-SRAM | 64K-SRAM | CIC | U3	64K-SRAM | U2 / ICD2 | ICD2 | U5	SYS-SGB | SYS-SGB | SGB-MBC5-01 | MouseBiteLabs | 2024
